# Altium PCB GunPCB1.PcbDoc (part 1 of 2)
Units mil, origin at the board's own origin, x right, y up, seen from the top; angles counter-clockwise.
Board outline 7480 x 4930 mil, 2 copper layers (Top Layer, Bottom Layer); 146 components, 114 nets, 430 pads, 188 vias.
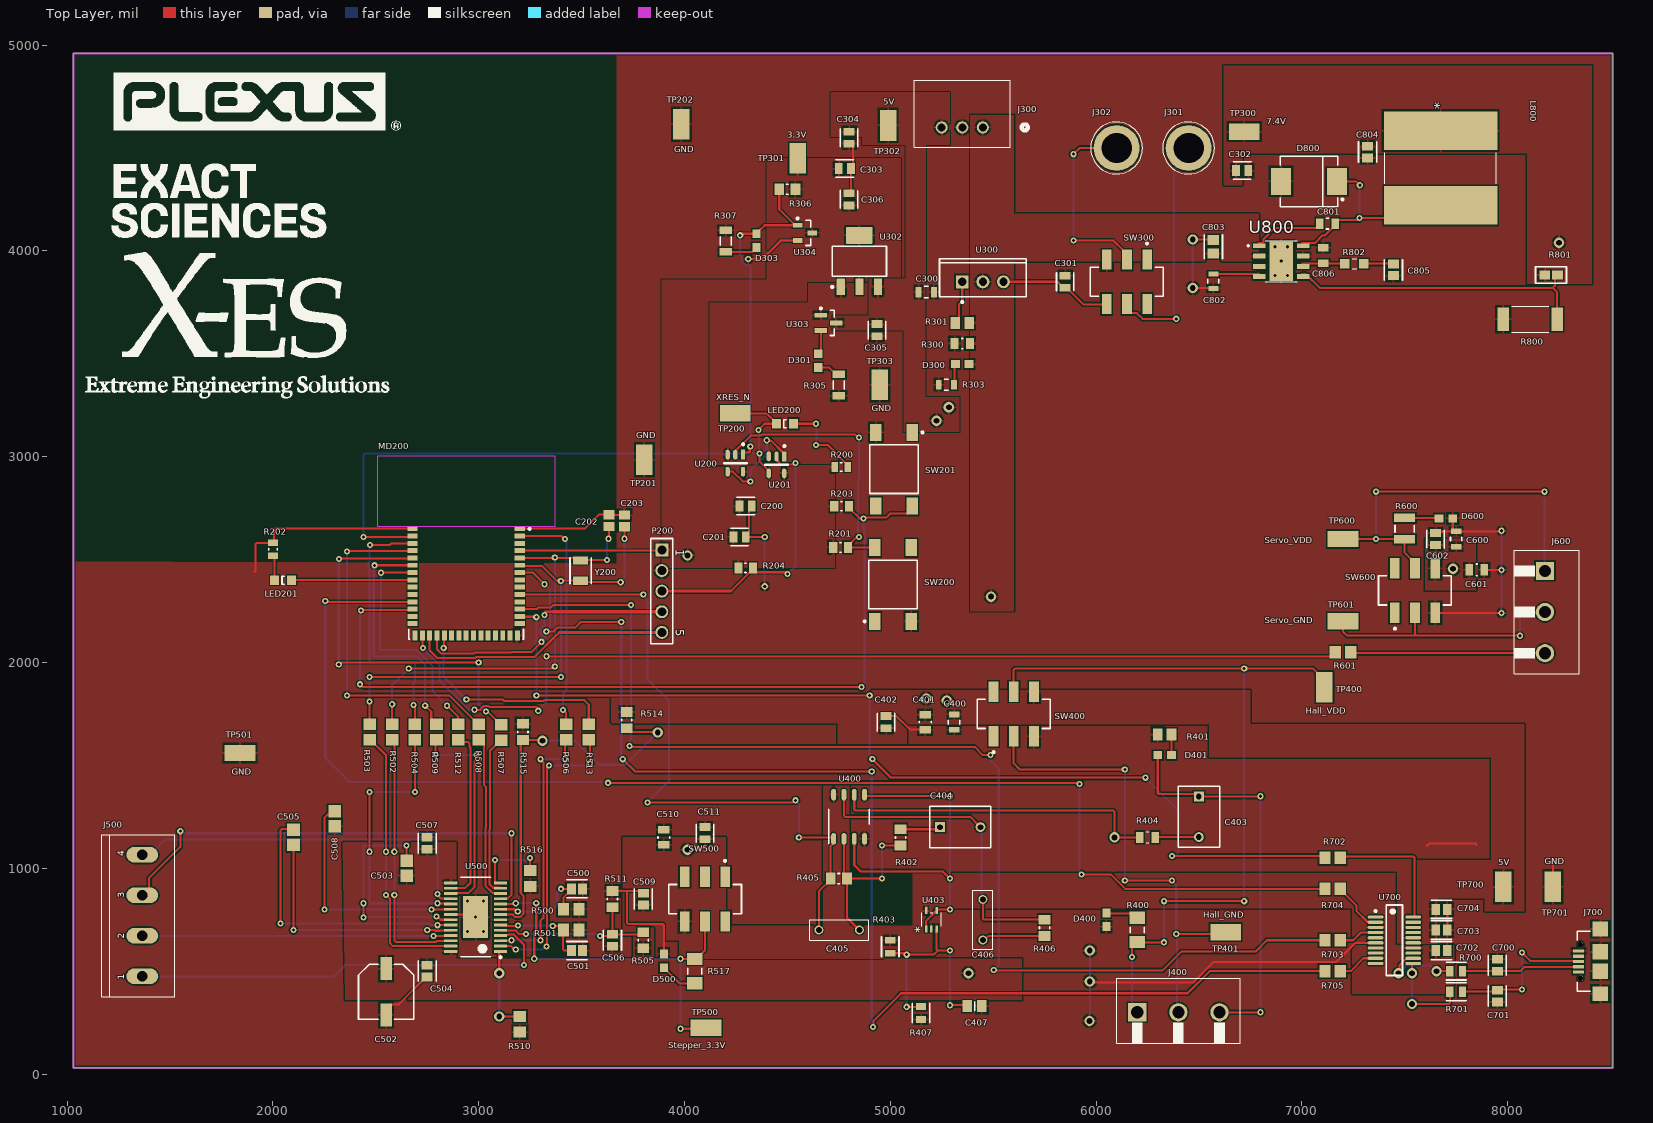
[diagram p0: Top Layer view]
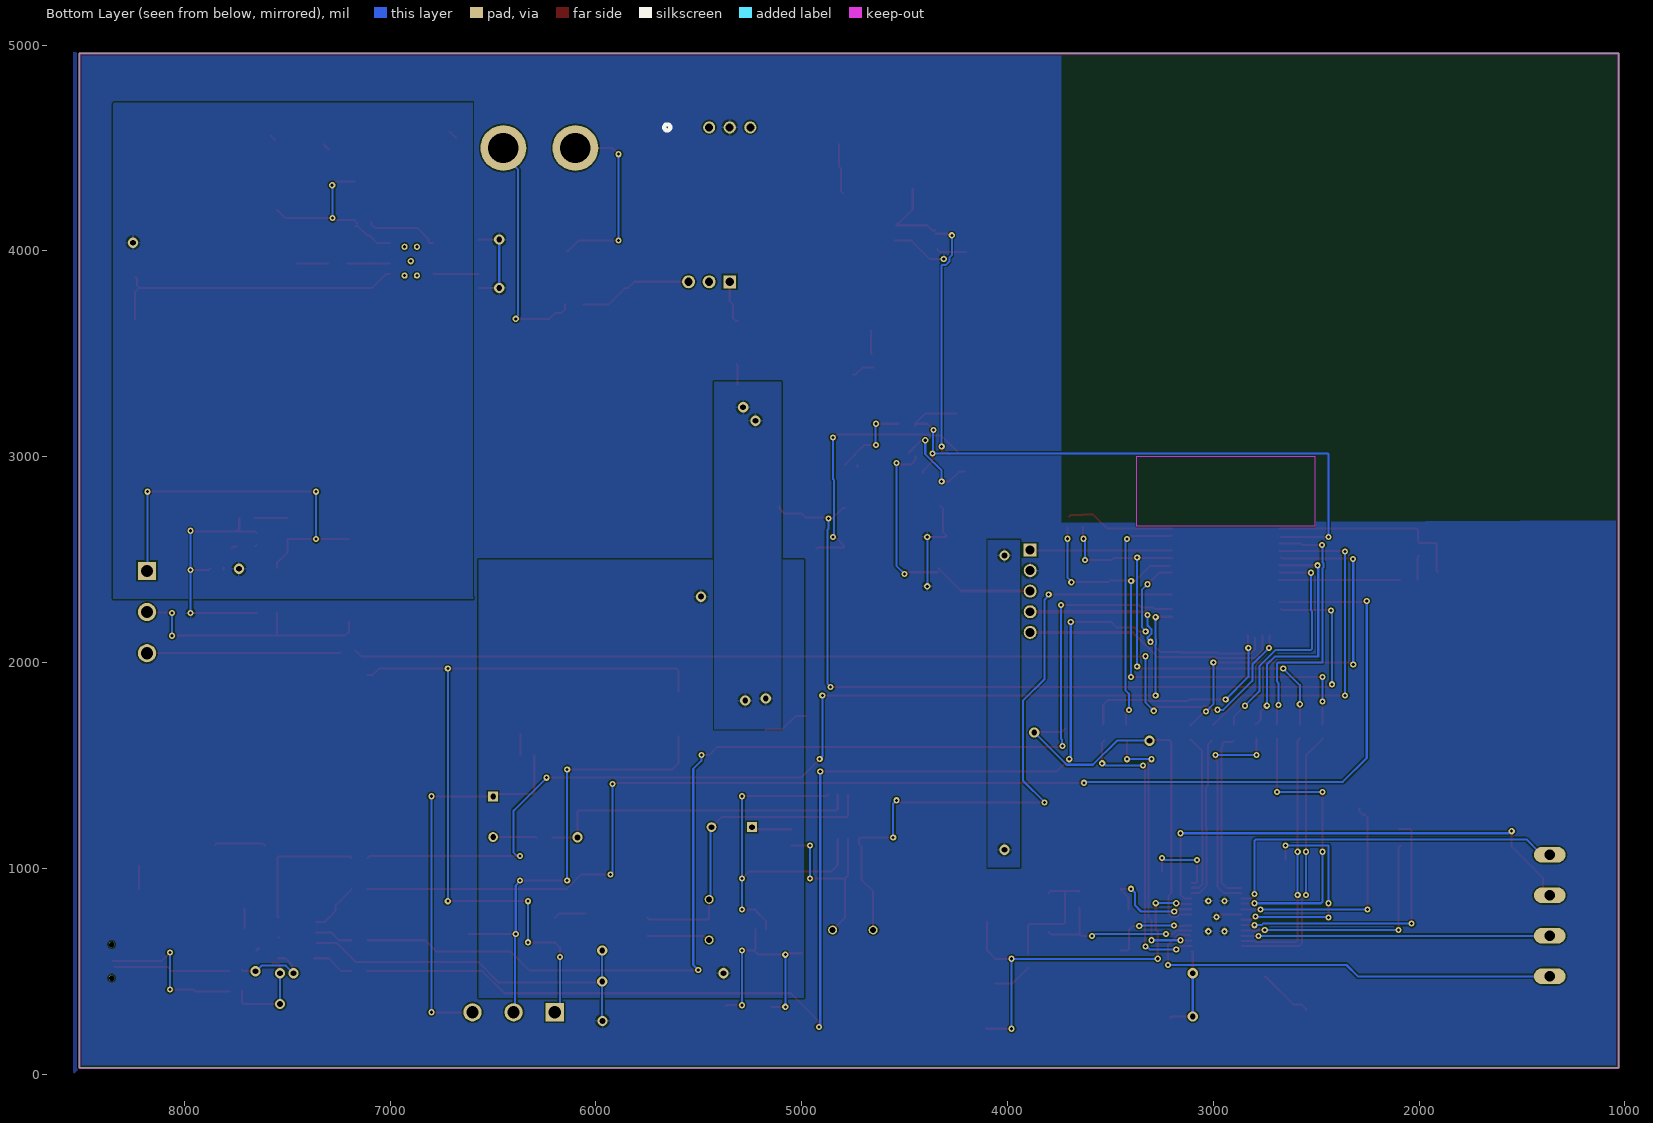
[diagram p1: Bottom Layer view, seen from below]
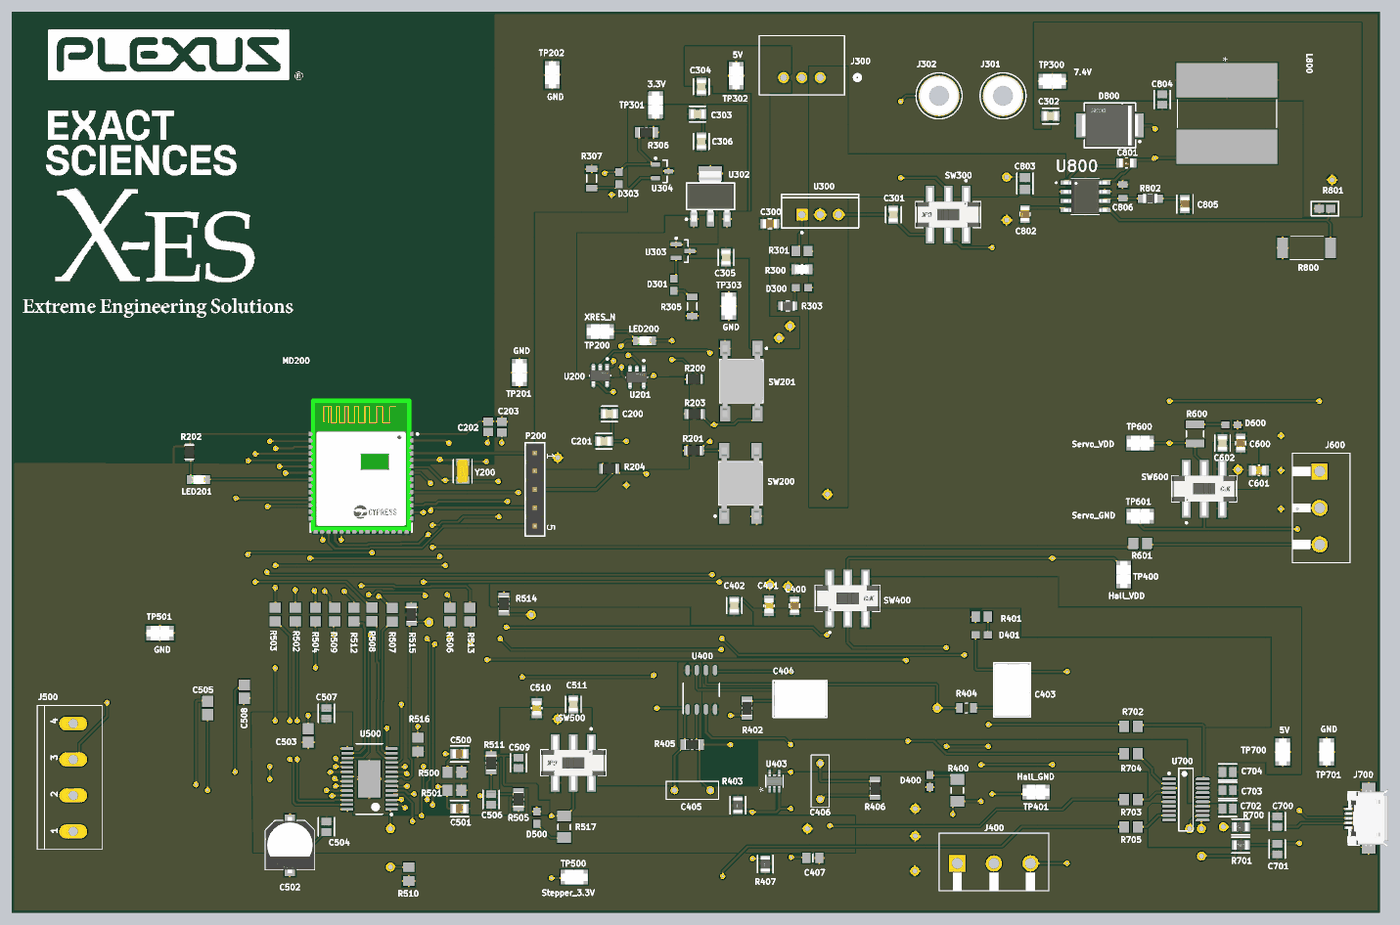
[diagram p3: 3D render of the assembled board from above, using the file's embedded part models]

## Layer stack, top to bottom
Top Solder: solder mask 0.4, Solder Resist, Dk 3.5
Top Layer: signal copper 1.4
Dielectric 1: dielectric 12.6, FR-4, Dk 4.8
Bottom Layer: signal copper 1.4
Bottom Solder: solder mask 0.4, Solder Resist, Dk 3.5

## Board outline
1030,30 8510,30 8510,4960 1030,4960

## Design rules (kind name [scope] priority, off if disabled: settings)
Clearance [All] p1: gap=7 ignorepadtopadclearanceinfootprint=FALSE
MinimumAnnularRing [All] p1: minimumring=6
MinimumSolderMaskSliver [All] p1: minsoldermaskwidth=0
PolygonConnect [All] p1: connectstyle=Relief reliefconductorwidth=10 reliefentries=4 polygonreliefangle="90 Angle" airgapwidth=10
RoutingVias [All] p1: holewidth=14 width=25 viastyle="Through Hole" minholewidth=10 minwidth=20 maxholewidth=28 maxwidth=50
SilkToSilkClearance [All] p1: silktosilkclearance=0
SilkToSolderMaskClearance [IsPad] p1: minsilkscreentomaskgap=0 clearancetoexposedcopper=TRUE
SolderMaskExpansion [All] p1: expansion=4 istentingtop=FALSE
Width [All] p1: maxlimit=100 minlimit=7 preferedwidth=10
27 further rules are at their usual default settings.

## Components (designator, comment, footprint, x,y, rotation, side; value= is the part's Value field where it differs from the comment)
C200 "C0805C106K8PACTU" FP-C0805C-DG-MFG 4297.11,2760 r0 top value=10uF
C201 "C0805C104K5RACTU" FP-C0805C-DN-MFG 4267.58,2610 r0 top value="0.10 μF"
C202 "08055A6R0CAT2A" CAPC2013X94X50LL20T25 3633.52,2689.13 r270 top
C203 "08055A6R0CAT2A" CAPC2013X94X50LL20T25 3708.52,2687.68 r270 top
C300 "22uF" FP-GRM21B-0_15-MFG 5175,3800 r0 top
C301 "10uF" FP-C0805C-DG-MFG 5850,3850 r90 top
C302 "10uF" FP-C0805C-DG-MFG 6709.53,4390 r0 top
C303 "10uF" FP-C0805C-DG-MFG 4779.53,4400 r0 top
C304 "10uF" FP-C0805C-DG-MFG 4800,4550 r270 top
C305 "10uF" FP-C0805C-DG-MFG 4935,3615 r270 top
C306 "10uF" FP-C0805C-DG-MFG 4800,4250 r90 top
C400 "22uF" FP-GRM21B-0_15-MFG 5310,1710 r270 top
C401 "1uF" FP-CC0805-0_85-MFG 5170,1710 r270 top value="1 uF"
C402 "C0805C106K8PACTU" FP-C0805C-DG-MFG 4980,1710.47 r90 top value=10uF
C403 "1uF Film" FP-R82DC4100DQ60J-MFG 6500,1250 r270 top
C404 "1uF Film" FP-R82DC4100DQ60J-MFG 5340,1200 r0 top
C405 "1 nF Film" CAPRR500W50L730T250H650 4751.57,700 r0 top
C406 "1 nF Film" CAPRR500W50L730T250H650 5450,750 r270 top
C407 "1 uF X7R" CAPC2012X140N 5410,330 r0 top
C500 "1000pF" FP-0805-L_2_01_0_2-W_1_25-IPC_C 3477.79,900 r0 top
C501 "1000pF" FP-0805-L_2_01_0_2-W_1_25-IPC_C 3477.79,600 r0 top
C502 "100uF" PNSC-EEEFK1C101P_L 2550,400 r270 top
C503 "0.22uF" CAPC2013X94X50ML20T25 2650,1000 r270 top
C504 "0.1uF" FP-CL21-IPC_C 2750,500 r270 top
C505 "0.22uF" CAPC2013X94X50ML20T25 2100,1150 r90 top
C506 "0.1uF" FP-CL21-IPC_C 3650,650 r270 top
C507 "0.1uF" FP-CL21-IPC_C 2750,1121.43 r90 top
C508 "0.22uF" CAPC2013X94X50ML20T25 2300,1240 r90 top
C509 "0.1uF" FP-CL21-IPC_C 3800,850 r90 top
C510 "1uF" FP-CC0805-0_85-MFG 3900,1150 r90 top value="1 uF"
C511 "C0805C106K8PACTU" FP-C0805C-DG-MFG 4100,1170.47 r90 top value=10uF
C600 "22uF" FP-GRM21B-0_15-MFG 7750,2600 r90 top
C601 "1uF" FP-CC0805-0_85-MFG 7850,2450 r0 top value="1 uF"
C602 "C0805C106K8PACTU" FP-C0805C-DG-MFG 7650,2600 r90 top value=10uF
C700 "0.1uF" FP-CL21-IPC_C 7950,528.57 r90 top
C701 "0.1uF" FP-CL21-IPC_C 7950,378.57 r270 top
C702 "0.1uF" FP-CL21-IPC_C 7678.57,600 r0 top
C703 "0.1uF" FP-CL21-IPC_C 7678.57,700 r0 top
C704 "0.1uF" FP-CL21-IPC_C 7678.57,800 r0 top
C801 "885012207016" FP-885012207016-MFG 7125,4132.79 r0 top
C802 "GRM2195C1H912JA01D" FP-GRM219-0_1-MFG 6570,3852.79 r270 top
C803 "CL21A106KPFNNNE" FP-CL21-IPC_B 6570,4020.3 r90 top
C804 "CL21A226MAYNNNE" FP-CL21-IPC_C 7320,4480 r270 top
C805 "08055A391JAT2A" FP-0805-L_2_01_0_2-W_1_25-IPC_C 7445,3907.79 r270 top
C806 "885012007027" WCAP-CSGP_885012007027 7105,3977.79 r270 top
D300 "LTST-C191KRKT" 0603 5350,3450 r0 top
D301 "LTST-C191KRKT" 0603 4650,3466.54 r90 top
D303 "LTST-C191KRKT" 0603 4350,4050 r90 top
D400 "LTST-C191KRKT" 0603 6050,750 r90 top
D401 "LTST-C191KRKT" 0603 6333.46,1550 r180 top
D500 "LTST-C191KRKT" 0603 3900,550 r270 top
D600 "LTST-C191KRKT" 0603 7700,2700 r180 top
D800 "B540C-13-F" FP-SMC-MFG 7035,4337.79 r180 top value=300pF
J300 "VR10S05" CONN3_10S05_XPP 5450,4600 r180 top
J301 "476-4" FP-476-4-MFG 6450,4500 r0 top
J302 "476-4" FP-476-4-MFG 6100,4500 r0 top
J400 "1760520000" 1760520000 6200,300 r0 top
J500 "1935187" 1935187 1365,770 r90 top
J600 "1760520000" 1760520000 8181.85,2445 r270 top
J700 "629105136821" 629105136821 8450,547.24 r90 top
L800 "SDR1307-4R7ML" IND_BOURNS_SDR1307 7675,4402.79 r270 top
LED200 "150080RS75000" 0805_A 4488.44,3160 r0 top
LED201 "150080GS75000" 0805_A 2050,2400 r0 top
MD200 "CYBLE-416045-02" FP-CYBLE-416045-02-MFG 2939.41,2479.92 r0 top
P200 "61300511121" 61300511121 3889.94,2346.46 r270 top
R200 "RC0805FR-07330RL" RESC2013X60X35LL10T20 4761.5,2950 r180 top
R201 "RC0805FR-0710KL" RESC2013X60X35NL10T20 4758.52,2559.13 r180 top
R202 "RC0805FR-07330RL" RESC2013X60X35LL10T20 2000,2550 r270 top
R203 "RC0805FR-0710KL" RESC2013X60X35NL10T20 4763.52,2759.13 r180 top
R204 "RC0805FR-0710KL" RESC2013X60X35NL10T20 4297.11,2460 r180 top
R300 "2k" FP-CRCW0805-e3-IPC_B 5350,3550 r180 top
R301 "110R" RESC2013X60X40NL20T25 5350,3650 r180 top
R303 "1100R" FP-ESR10-MFG 5272.6,3350 r0 top
R305 "390R" RESC3216X70X50LL05T20 4750,3347.83 r270 top
R306 "10k" RESC2013X60X35ML10T20 4500,4300 r0 top
R307 "390" RESC3216X70X50LL05T20 4200,4047.83 r270 top
R400 "150R" RESC3216X70X50ML20T25 6200,700 r90 top
R401 "150R" RESC2013X60X40NL20T25 6333.46,1650 r0 top
R402 "10k" RESC2013X60X35ML10T20 5050,1150 r90 top
R403 "100K" FP-RC0805-0_6-IPC_C 5000,618.43 r90 top
R404 "14.5k" RESC2012X60N 6250,1150 r0 top
R405 "10k" RESC2013X60X35ML10T20 4750,950 r0 top
R406 "10k" RESC2013X60X35ML10T20 5750,710.63 r270 top
R407 "100K" FP-RC0805-0_6-IPC_C 5150,296.57 r90 top
R500 "47k" RESC2013X70X40ML20T20 3450,800 r180 top
R501 "47k" RESC2013X70X40ML20T20 3450,700 r0 top
R502 "100R" RESC2013X60X40ML20T25 2580,1662.17 r270 top
R503 "100R" RESC2013X60X40ML20T25 2470,1662.17 r270 top
R504 "100R" RESC2013X60X40ML20T25 2690,1662.17 r270 top
R505 "10k" RESC2013X60X35ML10T20 3800,650 r270 top
R506 "100R" RESC2013X60X40ML20T25 3425,1662.17 r270 top
R507 "100R" RESC2013X60X40ML20T25 3110,1660 r270 top
R508 "100R" RESC2013X60X40ML20T25 3000,1662.4 r270 top
R509 "100R" RESC2013X60X40ML20T25 2795,1662.17 r270 top
R510 "0.1R" RESC2013X50X40ML20T20 3200,241.61 r270 top
R511 "10k" RESC2013X60X35ML10T20 3650,850 r270 top
R512 "100R" RESC2013X60X40ML20T25 2900,1662.17 r270 top
R513 "100R" RESC2013X60X40ML20T25 3535,1662.17 r270 top
R514 "10k" RESC2013X60X35ML10T20 3720,1720 r90 top
R515 "10k" RESC2013X60X35ML10T20 3215,1662.17 r270 top
R516 "0.1R" RESC2013X50X40ML20T20 3250,950 r90 top
R517 "150R" RESC3216X70X50ML20T25 4050,500 r90 top
R600 "280R" RESC3225X70X50LL20T20 7500,2650 r90 top
R601 "100R" RESC2013X60X40ML20T25 7200,2050 r0 top
R700 "27R" FP-CRGCQ0805-IPC_C 7750,500 r180 top value=27Ω
R701 "27R" FP-CRGCQ0805-IPC_C 7750,400 r180 top value=27Ω
R702 "100R" RESC2013X60X40ML20T25 7150,1050 r0 top
R703 "100R" RESC2013X60X40ML20T25 7150,650 r0 top
R704 "100R" RESC2013X60X40ML20T25 7150,900 r0 top
R705 "100R" RESC2013X60X40ML20T25 7150,500 r0 top
R800 "ERJ-1TNF1241U" RES_ERJ1TNF1241U 8110,3667.79 r0 top value=1.24k
R801 "10.2k" PCBComponent_1 8211.1,3882.79 r0 top
R802 "ERJ-PB6B8452V" RES_ERJ-PB6B1004V 7255,3937.79 r180 top
SW200 "FSM4JSMA" TECO-FSM4JSMA_V 5013.52,2379.13 r180 top
SW201 "FSM4JSMA" TECO-FSM4JSMA_V 5018.52,2939.13 r0 top
SW300 "JS202011SCQN" FP-JS202011SCQN-MFG 6150,3850 r180 top
SW400 "JS202011SCQN" FP-JS202011SCQN-MFG 5600,1750 r0 top
SW500 "JS202011SCQN" FP-JS202011SCQN-MFG 4100,850 r180 top
SW600 "JS202011SCQN" FP-JS202011SCQN-MFG 7550,2350 r0 top
TP200 "5019" KSTN-5019_V 4247.11,3210 r180 top
TP201 "5019" KSTN-5019_V 3805,2985 r90 top
TP202 "5019" KSTN-5019_V 3985,4615 r90 top
TP300 "5019" KSTN-5019_V 6720,4580 r180 top
TP301 "5019" KSTN-5019_V 4550,4450 r90 top
TP302 "5019" KSTN-5019_V 4990,4610 r90 top
TP303 "5019" KSTN-5019_V 4950,3350 r90 top
TP400 "5019" KSTN-5019_V 7110,1880 r90 top
TP401 "5019" KSTN-5019_V 6630,690 r180 top
TP500 "5019" KSTN-5019_V 4105,225 r0 top
TP501 "5019" KSTN-5019_V 1840,1560 r0 top
TP600 "5019" KSTN-5019_V 7200,2600 r180 top
TP601 "5019" KSTN-5019_V 7200,2200 r180 top
TP700 "5019" KSTN-5019_V 7980,910 r90 top
TP701 "5019" KSTN-5019_V 8220,910 r90 top
U200 "SN74AHC1G08DBV3" FP-DBV0005A-IPC_C 4247.11,2968.64 r270 top
U201 "SN74AHC1G08DBV3" FP-DBV0005A-IPC_C 4447.11,2960 r270 top
U300 "LM338T" NDE0003A 5450,3850 r0 top
U302 "TLV1117LV33DCYT" DCY0004A_M 4850,3950 r90 top
U303 "MCP809T-450I/TT" SOT-23-TT3_N 4700,3650 r0 top
U304 "MCP112T-300E/TT" SOT-23-TT3_L 4585.43,4087.4 r0 top
U400 "TLV9052IDR" D0008A_N 4800,1250 r90 top
U403 "TLV9051IDCKR" SOT_1IDCKR_TEX 5200,750 r90 top
U500 "DRV8811PWP" StepperMotor 2985,762.41 r180 top
U700 "FT231XS-U" SSOP-20_L 7450,650 r0 top
U800 "TPS54332DDAR" VREG_LM5017MR/NOPB 6900,3950 r0 top
Y200 "32.768KHZ" FP-ABS07-120-MFG 3494.94,2446.46 r270 top

## Footprints (in the part's own frame and the unit in brackets; to place one, negate y for a bottom-side part, rotate by r counter-clockwise, add the part's x,y. Pads: shape width x height; smd on the part's side, far side on the other; paste and mask are expansions set on the pad)
0603 [mm]
  rect 1.1x1 smd: 1(-0.85,0) 2(0.85,0)
0805_A [mm] "Chip LED, 2-Leads, Body 2.0x1.3mm, IPC Medium Density"
  rect 1.1x1.2 smd: 1(-1.05,0) 2(1.05,0)
  silkscreen extent -0.15,-0.5 0.15,0.5, body extent -1,-0.62 1,0.63, height 0.68
1935187 [mm]
  oval 1.95x3.9 hole 1.3: 1(-7.5,0) 2(-2.5,0) 3(2.5,0) 4(7.5,0)
  silkscreen extent -10,-4 10,5
1760520000 [mm]
  rect 2.25x2.25 hole 1.5: 1(0,0)
  round 2.25 hole 1.5: 2(5.08,0) 3(10.16,0)
  silkscreen extent -2.54,-3.81 12.7,4.2
61300511121 [mm] "Pin Header, pitch 2.54 mm, THT, Vertical, single row, 5p"
  rect 1.6x1.6 hole 1.1: 1(-5.08,0)
  round 1.6 hole 1.1: 2(-2.54,0) 3(0,0) 4(2.54,0) 5(5.08,0)
  silkscreen extent -6.5,-1.35 6.5,1.35, body extent -6.35,-1.27 6.35,1.27, height 8.57
629105136821 [mm] "Micro USB 2.0 SMT Type B Horizontal 5 Contacts"
  rect 0.4x1.35 smd: 1(-1.3,2.675) 2(-0.65,2.675) 3(0,2.675) 4(0.65,2.675) 5(1.3,2.675)
  round 0.7 hole 0.7 unplated: MH1(-2.075,2.45) MH2(2.075,2.45)
  rect 1.8x1.9 smd: Shell(-4,0) Shell(4,0)
  rect 1.9x1.9 smd: Shell(-1.2,0) Shell(1.2,0)
  silkscreen extent -3.7,1.25 3.7,2.85, body extent -4,-2.73 4,3.17, height 2.69
CAPC2012X140N [mm]
  rect 1.15x1.45 smd: 1(-0.9,0) 2(0.9,0)
  silkscreen extent 0,-0.55 0,0.55
CAPC2013X94X50LL20T25 [mm] "Chip Capacitor, 2-Leads, Body 2.01x1.25mm, IPC High Density"
  rect 1.15x1.35 smd: 1(-0.725,0) 2(0.725,0)
  body extent -1.1,-0.72 1.1,0.72, height 0.94
CAPC2013X94X50ML20T25 [mm] "Chip Capacitor, 2-Leads, Body 2.01x1.25mm, IPC Low Density"
  rect 1.55x1.55 smd: 1(-0.925,0) 2(0.925,0)
  body extent -1.1,-0.72 1.11,0.72, height 0.94
CAPRR500W50L730T250H650 [mm]
  round 1.1 hole 0.75: 1(-2.5,0) 2(2.5,0)
  silkscreen extent -3.65,-1.25 3.65,1.25
CONN3_10S05_XPP [mil]
  round 59 hole 39 mask+0: 1(0,0) 2(100,0) 3(200,0)
  silkscreen extent -218,-229 334,96, body extent 0,0 10,10, height 10
D0008A_N [mm]
  oval 1.45x0.6 smd paste+0 mask+0: 1(-2.725,1.905) 2(-2.725,0.635) 3(-2.725,-0.635) 4(-2.725,-1.905) 5(2.725,-1.905) 6(2.725,-0.635) 7(2.725,0.635) 8(2.725,1.905)
  silkscreen extent -3.3,-2.5 0.9,2.5, body extent 0,0 0.25,0.25, height 0.25
DCY0004A_M [mm] "SOT223, 4-Leads, Body 6.7x3.7mm, Pitch 2.3mm, IPC Low Density"
  rrect10% 2.05x1 smd: 1(-3.175,2.3) 2(-3.175,0) 3(-3.175,-2.3)
  rrect5% 2.05x3.25 smd: 4(3.175,0)
  silkscreen extent -3.3,-3.35 1.85,3.47, body extent -3.5,-3.25 3.5,3.25, height 1.62
FP-476-4-MFG [mm]
  round 5.65 hole 3.75 paste-1000 mask+0: 1(0,0)
  silkscreen extent -3.2,-3.2 3.2,3.2, body extent -2.95,-2.95 2.95,2.95, height 0.25
FP-0805-L_2_01_0_2-W_1_25-IPC_C [mil]
  rect 43.49x53.39 smd paste+0 mask+0: 1(-27.79,0) 2(27.79,0)
  silkscreen extent -50,-44 50,44, body extent -53,-32 53,32, height 10
FP-885012207016-MFG [mm]
  rect 0.9x1.3 smd paste+0 mask+0: 1(-0.95,0) 2(0.95,0)
  silkscreen extent -0.13,-0.67 0.13,0.67, body extent -1.5,-0.77 1.5,0.77, height 0.25
FP-ABS07-120-MFG [mm]
  rect 1x1.8 smd paste+0 mask+0: 1(-1.25,0) 2(1.25,0)
  silkscreen extent -1.6,-1.3 1.6,1.3, body extent -1.85,-1 1.85,1, height 0.25
FP-C0805C-DG-MFG [mm]
  rect 0.95x1.35 smd paste+0 mask+0: 1(-0.75,0) 2(0.75,0)
  silkscreen extent -1.11,-1.08 1.1,1.07, body extent -1.4,-0.85 1.4,0.85, height 0.25
FP-C0805C-DN-MFG [mm]
  rect 0.95x1.35 smd paste+0 mask+0: 1(-0.75,0) 2(0.75,0)
  silkscreen extent -1.1,-1.07 1.1,1.07, body extent -1.4,-0.85 1.4,0.85, height 0.25
FP-CC0805-0_85-MFG [mm]
  rect 0.95x1.4 smd paste+0 mask+0: 1(-0.925,0) 2(0.925,0)
  silkscreen extent -0.08,-0.72 0.08,0.72, body extent -1.6,-1.05 1.6,1.05, height 0.25
FP-CL21-IPC_B [mil]
  rect 49.4x57.33 smd paste+0 mask+0: 1(-32.51,0) 2(32.51,0)
  silkscreen extent -57,-44 57,44, body extent -67,-39 67,39, height 10
FP-CL21-IPC_C [mil]
  rect 41.52x53.39 smd paste+0 mask+0: 1(-28.57,0) 2(28.57,0)
  silkscreen extent -49,-44 49,44, body extent -53,-32 53,32, height 10
FP-CRCW0805-e3-IPC_B [mil]
  rect 39.63x55.44 smd paste+0 mask+0: 1(-37.44,0) 2(37.44,0)
  silkscreen extent -3,-25 3,25, body extent -67,-38 67,38, height 10
FP-CRGCQ0805-IPC_C [mil]
  rect 35.67x51.57 smd paste+0 mask+0: 1(-30.55,0) 2(30.55,0)
  silkscreen extent -48,-43 48,43, body extent -52,-31 52,31, height 10
FP-CYBLE-416045-02-MFG [mm]
  rect 1.27x0.61 smd paste+0 mask+0: 1(6.619,4.32) 2(6.619,3.42) 3(6.619,2.52) 4(6.619,1.62) 5(6.619,0.71) 6(6.619,-0.19) 7(6.619,-1.09) 8(6.619,-1.99) 9(6.619,-2.89) 10(6.619,-3.79) 11(6.619,-4.7) 12(6.619,-5.6) 13(6.619,-6.5) 14(6.619,-7.4) 30(-6.619,-7.4) 31(-6.619,-6.5) 32(-6.619,-5.6) 33(-6.619,-4.7) 34(-6.619,-3.79) 35(-6.619,-2.89) 36(-6.619,-1.99) 37(-6.619,-1.09) 38(-6.619,-0.19) 39(-6.619,0.71) 40(-6.619,1.62) 41(-6.619,2.52) 42(-6.619,3.42) 43(-6.619,4.32)
  rect 0.61x1.27 smd paste+0 mask+0: 15(6.31,-8.869) 16(5.41,-8.869) 17(4.51,-8.869) 18(3.61,-8.869) 19(2.71,-8.869) 20(1.8,-8.869) 21(0.9,-8.869) 22(0,-8.869) 23(-0.9,-8.869) 24(-1.8,-8.869) 25(-2.7,-8.869) 26(-3.61,-8.869) 27(-4.51,-8.869) 28(-5.41,-8.869) 29(-6.31,-8.869)
  Keep-Out Layer region: -11,4.63 11,4.63 11,13.25 -11,13.25
  Keep-Out Layer region: -11,4.63 11,4.63 11,13.25 -11,13.25
  silkscreen extent -7.07,-9.33 7.95,4.43, body extent -11,-9.6 11,13.25, height 0.25
FP-DBV0005A-IPC_C [mm]
  rect 1.205x0.532 smd paste+0 mask+0: 1(-1.05,0.95)
  rrect100% 1.205x0.532 smd paste+0 mask+0: 2(-1.05,0) 3(-1.05,-0.95) 4(1.05,-0.95) 5(1.05,0.95)
  silkscreen extent -2.45,-1.45 0.05,1.45, body extent -1.75,-1.55 1.75,1.55, height 0.25
FP-ESR10-MFG [mm]
  rect 0.7x1.15 smd paste+0 mask+0: 1(-0.95,0) 2(0.95,0)
  silkscreen extent -0.22,-0.67 0.22,0.67, body extent -1.4,-0.77 1.4,0.77, height 0.25
FP-GRM21B-0_15-MFG [mm]
  rect 0.7x1.3 smd paste+0 mask+0: 1(-0.95,0) 2(0.95,0)
  silkscreen extent -0.23,-0.7 0.23,0.7, body extent -1.4,-0.8 1.4,0.8, height 0.25
FP-GRM219-0_1-MFG [mm]
  rect 0.6x1.25 smd paste+0 mask+0: 1(-0.9,0) 2(0.9,0)
  silkscreen extent -0.23,-0.67 0.23,0.67, body extent -1.3,-0.77 1.3,0.77, height 0.25
FP-JS202011SCQN-MFG [mm]
  rect 1.2x2.5 smd paste+0 mask+0: 1(-2.5,-2.75) 2(0,-2.75) 3(2.5,-2.75) 4(-2.5,2.75) 5(0,2.75) 6(2.5,2.75)
  silkscreen extent -4.5,-4.85 4.5,1.8, body extent -4.6,-4.1 4.6,4.1, height 0.25
FP-R82DC4100DQ60J-MFG [mm]
  rect 1.2x1.2 hole 0.7 paste-1000 mask+0: 1(-2.5,0)
  round 1.2 hole 0.7 paste-1000 mask+0: 2(2.5,0)
  silkscreen extent -3.75,-2.55 3.75,2.55, body extent -3.85,-2.65 3.85,2.65, height 0.25
FP-RC0805-0_6-IPC_C [mil]
  rect 31.82x49.69 smd paste+0 mask+0: 1(-31.57,0) 2(31.57,0)
  silkscreen extent -47,-42 47,42, body extent -51,-31 51,31, height 10
FP-SMC-MFG [mm]
  rect 2.5x3.3 smd paste+0 mask+0: 1(-3.45,0) 2(3.45,0)
  silkscreen extent -4.25,-3.11 3.55,3.11, body extent -4.8,-3.21 4.8,3.21, height 0.25
IND_BOURNS_SDR1307 [mil]
  rect 187x551 smd paste+0 mask+0: 1(-182,0) 2(182,0)
  silkscreen extent -75,-271 75,271, body extent 0,0 10,10, height 10
KSTN-5019_V [mm] "Test Point, 1-Leads, Body 3.81x2.03mm"
  rect 3.8x2.03 smd: 1(0,0)
  body extent -1.9,-1.01 1.9,1.02, height 2.29
NDE0003A [mm] "FM, 3-Leads, Body 10.7x4.7mm, Pitch 2.54mm"
  rect 1.6x1.6 hole 1: 1(-2.54,0)
  round 1.6 hole 1: 2(0,0) 3(2.54,0)
  silkscreen extent -5.35,-2.62 5.35,2.85, body extent -5.4,-1.9 5.4,2.9, height 19.4
PCBComponent_1 [mm]
  rect 1.32x1.08 smd: 1(-0.79,0) 2(0.79,0)
  silkscreen extent -1.91,-1 1.91,1
PNSC-EEEFK1C101P_L [mm] "Aluminum Electrolytic Capacitor, Body 6.8x6.8mm, IPC High Density"
  rect 2.85x1.4 smd: 1(-2.85,0) 2(2.85,0)
  silkscreen extent -3.4,-3.4 3.4,3.4, body extent -3.9,-3.4 3.9,3.4, height 6.3
RES_ERJ1TNF1241U [mm]
  rect 1.45x2.9 smd: 1(-3.325,0) 2(3.325,0)
  silkscreen extent -2.28,-1.6 2.28,1.6
RES_ERJ-PB6B1004V [mm]
  rect 1.15x1.15 smd: 1(-1.175,0) 2(1.175,0)
  silkscreen extent -0.28,-0.63 0.28,0.63, body extent -1,-0.63 1,0.63, height 0.7
RESC2012X60N [mm]
  rect 0.92x1.38 smd: 1(-0.955,0) 2(0.955,0)
  silkscreen extent -0.17,-0.68 0.17,0.68
RESC2013X50X40ML20T20 [mm] "Chip Resistor, 2-Leads, Body 2.00x1.25mm, IPC Low Density"
  rect 1.35x1.55 smd: 1(-0.975,0) 2(0.975,0)
  body extent -1.1,-0.72 1.1,0.72, height 0.5
RESC2013X60X35LL10T20 [mm] "Chip Resistor, 2-Leads, Body 2.1x1.35mm, IPC High Density"
  rect 0.8x1.25 smd: 1(-0.8,0) 2(0.8,0)
  silkscreen extent -0.1,-0.53 0.1,0.53, body extent -1.05,-0.67 1.05,0.68, height 0.6
RESC2013X60X35ML10T20 [mm] "Chip Resistor, 2-Leads, Body 2.1x1.35mm, IPC Low Density"
  rect 1.2x1.45 smd: 1(-1,0) 2(1,0)
  silkscreen extent -0.1,-0.63 0.1,0.63, body extent -1.05,-0.68 1.05,0.67, height 0.6
RESC2013X60X35NL10T20 [mm] "Chip Resistor, 2-Leads, Body 2.1x1.35mm, IPC Medium Density"
  rect 1x1.35 smd: 1(-0.9,0) 2(0.9,0)
  silkscreen extent -0.1,-0.58 0.1,0.58, body extent -1.05,-0.68 1.05,0.67, height 0.6
RESC2013X60X40ML20T25 [mm] "Chip Resistor, 2-Leads, Body 2.00x1.25mm, IPC Low Density"
  rect 1.4x1.55 smd: 1(-0.95,0) 2(0.95,0)
  body extent -1.1,-0.72 1.1,0.72, height 0.6
RESC2013X60X40NL20T25 [mm] "Chip Resistor, 2-Leads, Body 2.00x1.25mm, IPC Medium Density"
  rect 1.2x1.45 smd: 1(-0.85,0) 2(0.85,0)
  body extent -1.1,-0.72 1.1,0.72, height 0.6
RESC2013X70X40ML20T20 [mm] "Chip Resistor, 2-Leads, Body 2.00x1.25mm, IPC Low Density"
  rect 1.35x1.55 smd: 1(-0.975,0) 2(0.975,0)
  body extent -1.1,-0.72 1.1,0.72, height 0.7
RESC3216X70X50LL05T20 [mm] "Chip Resistor, 2-Leads, Body 3.20x1.60mm, IPC High Density"
  rect 0.9x1.55 smd: 1(-1.325,0) 2(1.325,0)
  silkscreen extent -0.5,-0.67 0.5,0.67, body extent -1.63,-0.82 1.62,0.82, height 0.7
RESC3216X70X50ML20T25 [mm] "Chip Resistor, 2-Leads, Body 3.20x1.60mm, IPC Low Density"
  rect 1.5x1.9 smd: 1(-1.5,0) 2(1.5,0)
  silkscreen extent -0.35,-0.85 0.35,0.85, body extent -1.7,-0.9 1.7,0.9, height 0.7
RESC3225X70X50LL20T20 [mm] "Chip Resistor, 2-Leads, Body 3.20x2.50mm, IPC High Density"
  rect 1.05x2.6 smd: 1(-1.325,0) 2(1.325,0)
  silkscreen extent -0.4,-1.2 0.4,1.2, body extent -1.7,-1.35 1.7,1.35, height 0.7
SOT-23-TT3_L [mm] "SOT23, 3-Leads, Body 2.9x1.3mm, Pitch 0.95mm, Lead Span 2.4mm, IPC High Density"
  rect 1.2x0.6 smd: 1(-0.9,0.95) 2(-0.9,-0.95) 3(0.9,0)
  silkscreen extent -1.02,-1.55 0.7,1.92, body extent -0.7,-1.52 0.7,1.53, height 1.12
SOT-23-TT3_N [mm] "SOT23, 3-Leads, Body 2.9x1.3mm, Pitch 0.95mm, Lead Span 2.4mm, IPC Medium Density"
  rect 1.5x0.6 smd: 1(-0.95,0.95) 2(-0.95,-0.95) 3(0.95,0)
  silkscreen extent -1.07,-1.55 0.7,1.92, body extent -0.7,-1.52 0.7,1.53, height 1.12
SOT_1IDCKR_TEX [mil]
  rect 33.74x12 smd paste+0 mask+0: 1(-44.37,25.59) 2(-44.37,0) 3(-44.37,-25.59) 4(44.37,-25.59) 5(44.37,25.59)
  silkscreen extent -32,-47 32,47, body extent -47,-42 47,42, height 43
SSOP-20_L [mm] "SOP, 20-Leads, Body 8.6x3.9mm, Pitch 0.635mm, IPC High Density"
  oval 1.95x0.4 smd: 1(-2.325,2.857) 2(-2.325,2.222) 3(-2.325,1.587) 4(-2.325,0.953) 5(-2.325,0.318) 6(-2.325,-0.318) 7(-2.325,-0.953) 8(-2.325,-1.587) 9(-2.325,-2.222) 10(-2.325,-2.857) 11(2.325,-2.857) 12(2.325,-2.222) 13(2.325,-1.587) 14(2.325,-0.953) 15(2.325,-0.318) 16(2.325,0.318) 17(2.325,0.953) 18(2.325,1.587) 19(2.325,2.222) 20(2.325,2.857)
  silkscreen extent -2.45,-4.35 1,4.35, body extent -1.99,-4.37 1.99,4.37, height 1.76
StepperMotor [mm] "SOP, 28-Leads, Body 9.8x4.5mm, Pitch 0.65mm, Thermal Pad 5.18x3.1mm, IPC Low Density"
  rrect29% 1.65x0.35 smd: 1(-3.075,4.225) 2(-3.075,3.575) 3(-3.075,2.925) 4(-3.075,2.275) 5(-3.075,1.625) 6(-3.075,0.975) 7(-3.075,0.325) 8(-3.075,-0.325) 9(-3.075,-0.975) 10(-3.075,-1.625) 11(-3.075,-2.275) 12(-3.075,-2.925) 13(-3.075,-3.575) 14(-3.075,-4.225) 15(3.075,-4.225) 16(3.075,-3.575) 17(3.075,-2.925) 18(3.075,-2.275) 19(3.075,-1.625) 20(3.075,-0.975) 21(3.075,-0.325) 22(3.075,0.325) 23(3.075,0.975) 24(3.075,1.625) 25(3.075,2.275) 26(3.075,2.925) 27(3.075,3.575) 28(3.075,4.225)
  rrect3% 3.1x5.18 smd: 29(0,0)
  silkscreen extent -3.2,-4.9 1.85,5.07, body extent -2.25,-4.9 2.25,4.9, height 1.2
TECO-FSM4JSMA_V [mm] "SMD, 4-Leads, Body 6x6mm, Pitch 4.5mm"
  rect 1.4x2.1 smd: 1(2.25,4.55) 2(2.25,-4.55) 3(-2.25,4.55) 4(-2.25,-4.55)
  silkscreen extent -3,-3 3.62,4.67, body extent -3,-5 3,5, height 5.08
VREG_LM5017MR/NOPB [mm]
  rrect5% 1.55x0.6 smd mask+0: 1(-2.7,1.905) 2(-2.7,0.635) 3(-2.7,-0.635) 4(-2.7,-1.905) 5(2.7,-1.905) 6(2.7,-0.635) 7(2.7,0.635) 8(2.7,1.905)
  round 0.762 hole 0.381: 9(-0.762,-1.778) 9(-0.762,1.778) 9(0,0) 9(0.762,-1.778) 9(0.762,1.778)
  rect 2.95x4.9 smd paste-3 mask+0: 9(0,0)
  silkscreen extent -4.17,-2.52 1.95,2.52, body extent -3,-2.45 3,2.45, height 1.7
WCAP-CSGP_885012007027 [mm]
  rect 0.9x1.3 smd: 1(-0.95,0) 2(0.95,0)

## Part data
C200 C402 C511 C602: library part CMP-2007-03243-2, "CAP CER 10UF 10V X5R 0805", 3DS Part Number=220-00001, Capacitance=10uF, Case Code (Imperial)=0805, Case Code (Metric)=2012, Dielectric=X5R, Dielectric Material=Ceramic, Manufacturer=Kemet, Manufacturer 1=KEMET, Max Operating Temperature=85°C, Min Operating Temperature=-55°C, Package=C0805C-DG, Package Quantity=1, Supplier Part Number 1=399-C0805C106K8PAC7800CT-ND, Temperature="-55°C to +85°C", Temperature Coefficient=15%, Temperature Range High=+85°C, Tolerance=10%, Voltage=10V, Automotive=No, Case/Package=0805, Category=Cap, ComponentLink2Description=Datasheet, ComponentLink2URL=https://content.kemet.com/datasheets/KEM_C1006_X5R_SMD.pdf, Construction=Flat, Contact Plating=Tin,Matte, Depth=1.25mm, Device Class L1="Passive Components", Device Class L2=Capacitors, Device Class L3="Ceramic Capacitors", Digikey Description="CAP CER 10UF 10V X5R 0805", Dissipation Factor=10%, Height=1.4mm, Ipc Land Pattern Name=CAPC200125X125, Lead Free=Yes, Length=2mm, Manufacturer Part Number=C0805C106K8PACTU, Manufacturer Part Number 1=C0805C106K8PACTU, Material=Ceramic, Mount="Surface Mount", Mouser Description="CAP CER 10UF 10V X5R 0805", Number of Pins=2, Octopart=https://octopart.com/c0805c106k8pactu-kemet-98697, Packaging="Tape and Reel", Pricing 1="1=0.14000, 10=0.10300, 50=0.05840, 100=0.04830, 500=0.03388, 1000=0.02805 (USD)", Radiation Hardening=No, REACH SVHC="No SVHC", RoHS=TRUE, RoHS Compliant=Yes, Series=C, Stock 1=8631846, Supplier 1=Digi-Key, Temperature Characteristic=X5R, Temperature Range Low=-55°C, Termination=SMD/SMT, Thickness=0.055inch, Voltage Rating=10V, Voltage Rating (DC)=10V, Width=1.2mm
C201: library part CMP-2007-00279-2, "CAP CER 0.1UF 50V X7R 0805", Capacitance="0.10 μF", Case Code (Imperial)=0805, Case Code (Metric)=2012, Dielectric=X7R, Dielectric Material=Ceramic, Manufacturer=KEMET, Max Operating Temperature=125°C, Min Operating Temperature=-55°C, Package=C0805C-DN, Package Quantity=4000, Supplier Part Number 1=399-C0805C104K5RAC7800CT-ND, Temperature="-55°C to +125°C", Temperature Coefficient=30ppm/°C, Temperature Range High=+125°C, Tolerance=0.1, Voltage=500V, Voltage Rating="50 V", Voltage Rating (DC)=50V, Automotive=No, Case/Package=0805, Category=Cap, ComponentLink2Description=Datasheet, ComponentLink2URL=https://content.kemet.com/datasheets/KEM_C1003_C0G_SMD.pdf, Construction=Flat, Contact Plating=Tin,Matte, Depth=1.25mm, Device Class L1="Passive Components", Device Class L2=Capacitors, Device Class L3="Ceramic Capacitors", Digikey Description="CAP CER 0.1UF 50V X7R 0805", Height=0.88mm, Ipc Land Pattern Name=CAPC200125X78, Lead Free=Yes, Lead Pitch=0.75mm, Length=2mm, Manufacturer 1=KEMET, Manufacturer Part Number=C0805C104K5RACTU, Manufacturer Part Number 1=C0805C104K5RACTU, Material=Ceramic, Mount="Surface Mount,PCB", Mouser Description="Cap Ceramic 0.1uF 50V X7R 10% SMD 2.0 x 1.2 mm 125 C Paper T/R", Number of Pins=2, Octopart=https://octopart.com/c0805c104k5ractu-kemet-143926, Packaging="Tape and Reel", Pricing 1="1=0.14000, 10=0.09700, 50=0.05480, 100=0.04540, 500=0.03182, 1000=0.02634 (USD)", Radiation Hardening=No, REACH SVHC="No SVHC", RoHS=TRUE, RoHS Compliant=Yes, Series=C0805C, Stock 1=2903712, Supplier 1=Digi-Key, Temperature Characteristic=X7R, Temperature Range Low=-55°C, Termination=SMD/SMT, Thickness=0.035inch, Width=1.2mm
C202 C203: library part CMP-2007-04344-1, Capacitance=6pF, Case Code (Imperial)=0805, Case Code (Metric)=2012, Dielectric=C0G, Manufacturer="AVX Interconnect / Elco", Manufacturer 1="Kyocera AVX", Max Operating Temperature=125°C, Min Operating Temperature=-55°C, Package Quantity=4000, Supplier Part Number 1=478-11894-1-ND, Voltage Rating=50V, Case/Package=0805, Category="Ceramic Capacitors", ComponentLink1Description=https://datasheet.ciiva.com/205/ccog-205395.pdf?src-supplier=Digi-Key, ComponentLink1URL=https://datasheet.ciiva.com/205/ccog-205395.pdf?src-supplier=Digi-Key, ComponentLink2Description=https://datasheet.ciiva.com/11499/ccog-11499893.pdf?src-supplier=Avnet, ComponentLink2URL=https://datasheet.ciiva.com/11499/ccog-11499893.pdf?src-supplier=Avnet, ComponentLink3Description=https://datasheet.ciiva.com/5424/ccog-5424575.pdf?src-supplier=Mouser, ComponentLink3URL=https://datasheet.ciiva.com/5424/ccog-5424575.pdf?src-supplier=Mouser, Construction=Flat, Depth=1.25mm, Length=2.01mm, Manufacturer Part Number 1=08055A6R0CAT2A, Mount="Surface Mount", Packaging="Tape and Reel", Part Number=08055A6R0CAT2A, Pricing 1="1=0.24000, 10=0.16700, 50=0.10000, 100=0.08440, 500=0.05778, 1000=0.05111 (USD)", Radiation Hardening=No, RoHS=Yes, RoHS Compliant=Yes, Series=-, Stock 1=19844, Supplier 1=Digi-Key, Termination=SMD/SMT, Thickness=0.037inch, Voltage Rating (DC)=50V, Width=0.049inch
C300 C400 C600: library part CMP-2007-03385-2, Case Code (Imperial)=0805, Case Code (Metric)=2012, Dielectric=X5R, Manufacturer=Murata, Manufacturer Part Number=GRM21BR60J226ME39L, Max Operating Temperature=85°C, Min Operating Temperature=-55°C, Package Quantity=1, Supplier Part Number 1=490-1719-1-ND, Tolerance=20%, Voltage=6.3V, Capacitance=22uF, Case/Package=0805, Category="Ceramic Capacitors", Construction=Flat, Depth=1.25mm, Height=1.25mm, Lead Free="Lead Free", Length=2mm, Material=Ceramic, Mount="Surface Mount", Packaging="Tape and Reel", Pricing 1="1=0.37000, 10=0.25600, 50=0.17940, 100=0.15380, 500=0.11532, 1000=0.09739 (USD)", Radiation Hardening=No, REACH SVHC="No SVHC", Reach SVHC Compliant=Yes, RoHS=Yes, RoHS Compliant=Yes, Series=GRM, Stock 1=2705091, Supplier 1=Digi-Key, Termination=SMD/SMT, Thickness=0.053inch, Voltage Rating=6.3V, Voltage Rating (DC)=6.3V, Width=0.049inch
C301 C302 C303 C304 C305 C306: library part CMP-2007-03243-2, 3DS Part Number=220-00001, Manufacturer=Kemet, Manufacturer Part Number=C0805C106K8PACTU, Package=C0805C-DG, Temperature="-55°C to +85°C", Temperature Characteristic=X5R, Temperature Coefficient=15%, Temperature Range High=+85°C, Temperature Range Low=-55°C, Tolerance=10%, Voltage=10V, Automotive=No, Capacitance=10uF, Category=Cap, ComponentLink2Description=Datasheet, ComponentLink2URL=https://content.kemet.com/datasheets/KEM_C1006_X5R_SMD.pdf, Device Class L1="Passive Components", Device Class L2=Capacitors, Device Class L3="Ceramic Capacitors", Digikey Description="CAP CER 10UF 10V X5R 0805", Height=1.4mm, Ipc Land Pattern Name=CAPC200125X125, Lead Free=Yes, Material=Ceramic, Mouser Description="CAP CER 10UF 10V X5R 0805", Octopart=https://octopart.com/c0805c106k8pactu-kemet-98697, RoHS=TRUE, Voltage Rating=10V
C401 C510 C601: library part CMP-03422-000182-1, "CAP CER 1UF 10V X7R 0805", Capacitance="1 uF", Manufacturer=Yageo, Manufacturer Part Number=CC0805KKX7R6BB105, Package=CC0805-0.85, Temperature="-30°C to +85°C", Temperature Characteristic=X7R, Temperature Range High=+85°C, Temperature Range Low=-30°C, Tolerance=0.1, Voltage Rating="10 V", Automotive=No, Category=Cap, ComponentLink2Description=Datasheet, ComponentLink2URL=http://www.yageo.com/documents/recent/UPY-GPHC_Y5V_6.3V-to-50V_8.pdf, Device Class L1="Passive Components", Device Class L2=Capacitors, Device Class L3="Ceramic Capacitors", Digikey Description="CAP CER 1UF 10V X7R 0805", Footprint Url=http://www.yageo.com/exep/pages/download/literatures/UPY-C_GEN_24.pdf, Height=0.95mm, Ipc Land Pattern Name=CAPC200125X85, Lead Free=Yes, Material=Ceramic, Mouser Description="Multilayer Ceramic Capacitors MLCC - SMD/SMT 1.0uF 10V X7R 10%", Octopart=https://octopart.com/cc0805kkx7r6bb105-yageo-42522859, RoHS=TRUE
C403 C404: library part CMP-03022-000017-1, "CAP FILM 1UF 5% 63VDC RADIAL", Capacitance=1uF, Case/Package=Radial, Dielectric=PET, Insulation Resistance=30R, Max Operating Temperature=105°C, Min Operating Temperature=-55°C, Package Quantity=1700, Tolerance=5%, Voltage=63V, Voltage Rating (AC)=40V, Construction=RADIAL, Contact Plating=Tin, Depth=5mm, Dielectric Material=PET, Dissipation Factor=80%, Height - Seated (Max)=0.398inch, Lead Diameter=0.5mm, Lead Pitch=5mm, Length=7.2mm, Life (Hours)=2000Hour, Mount="Through Hole", Packaging="Tape and Reel", Radiation Hardening=No, REACH SVHC="No SVHC", RoHS Compliant=Yes, Series=R82, Termination=Radial, Type="General Purpose", Voltage Rating=63V, Voltage Rating (DC)=63V, Width=5mm